# KiCad board OBC Development Board.kicad_pcb (continued)
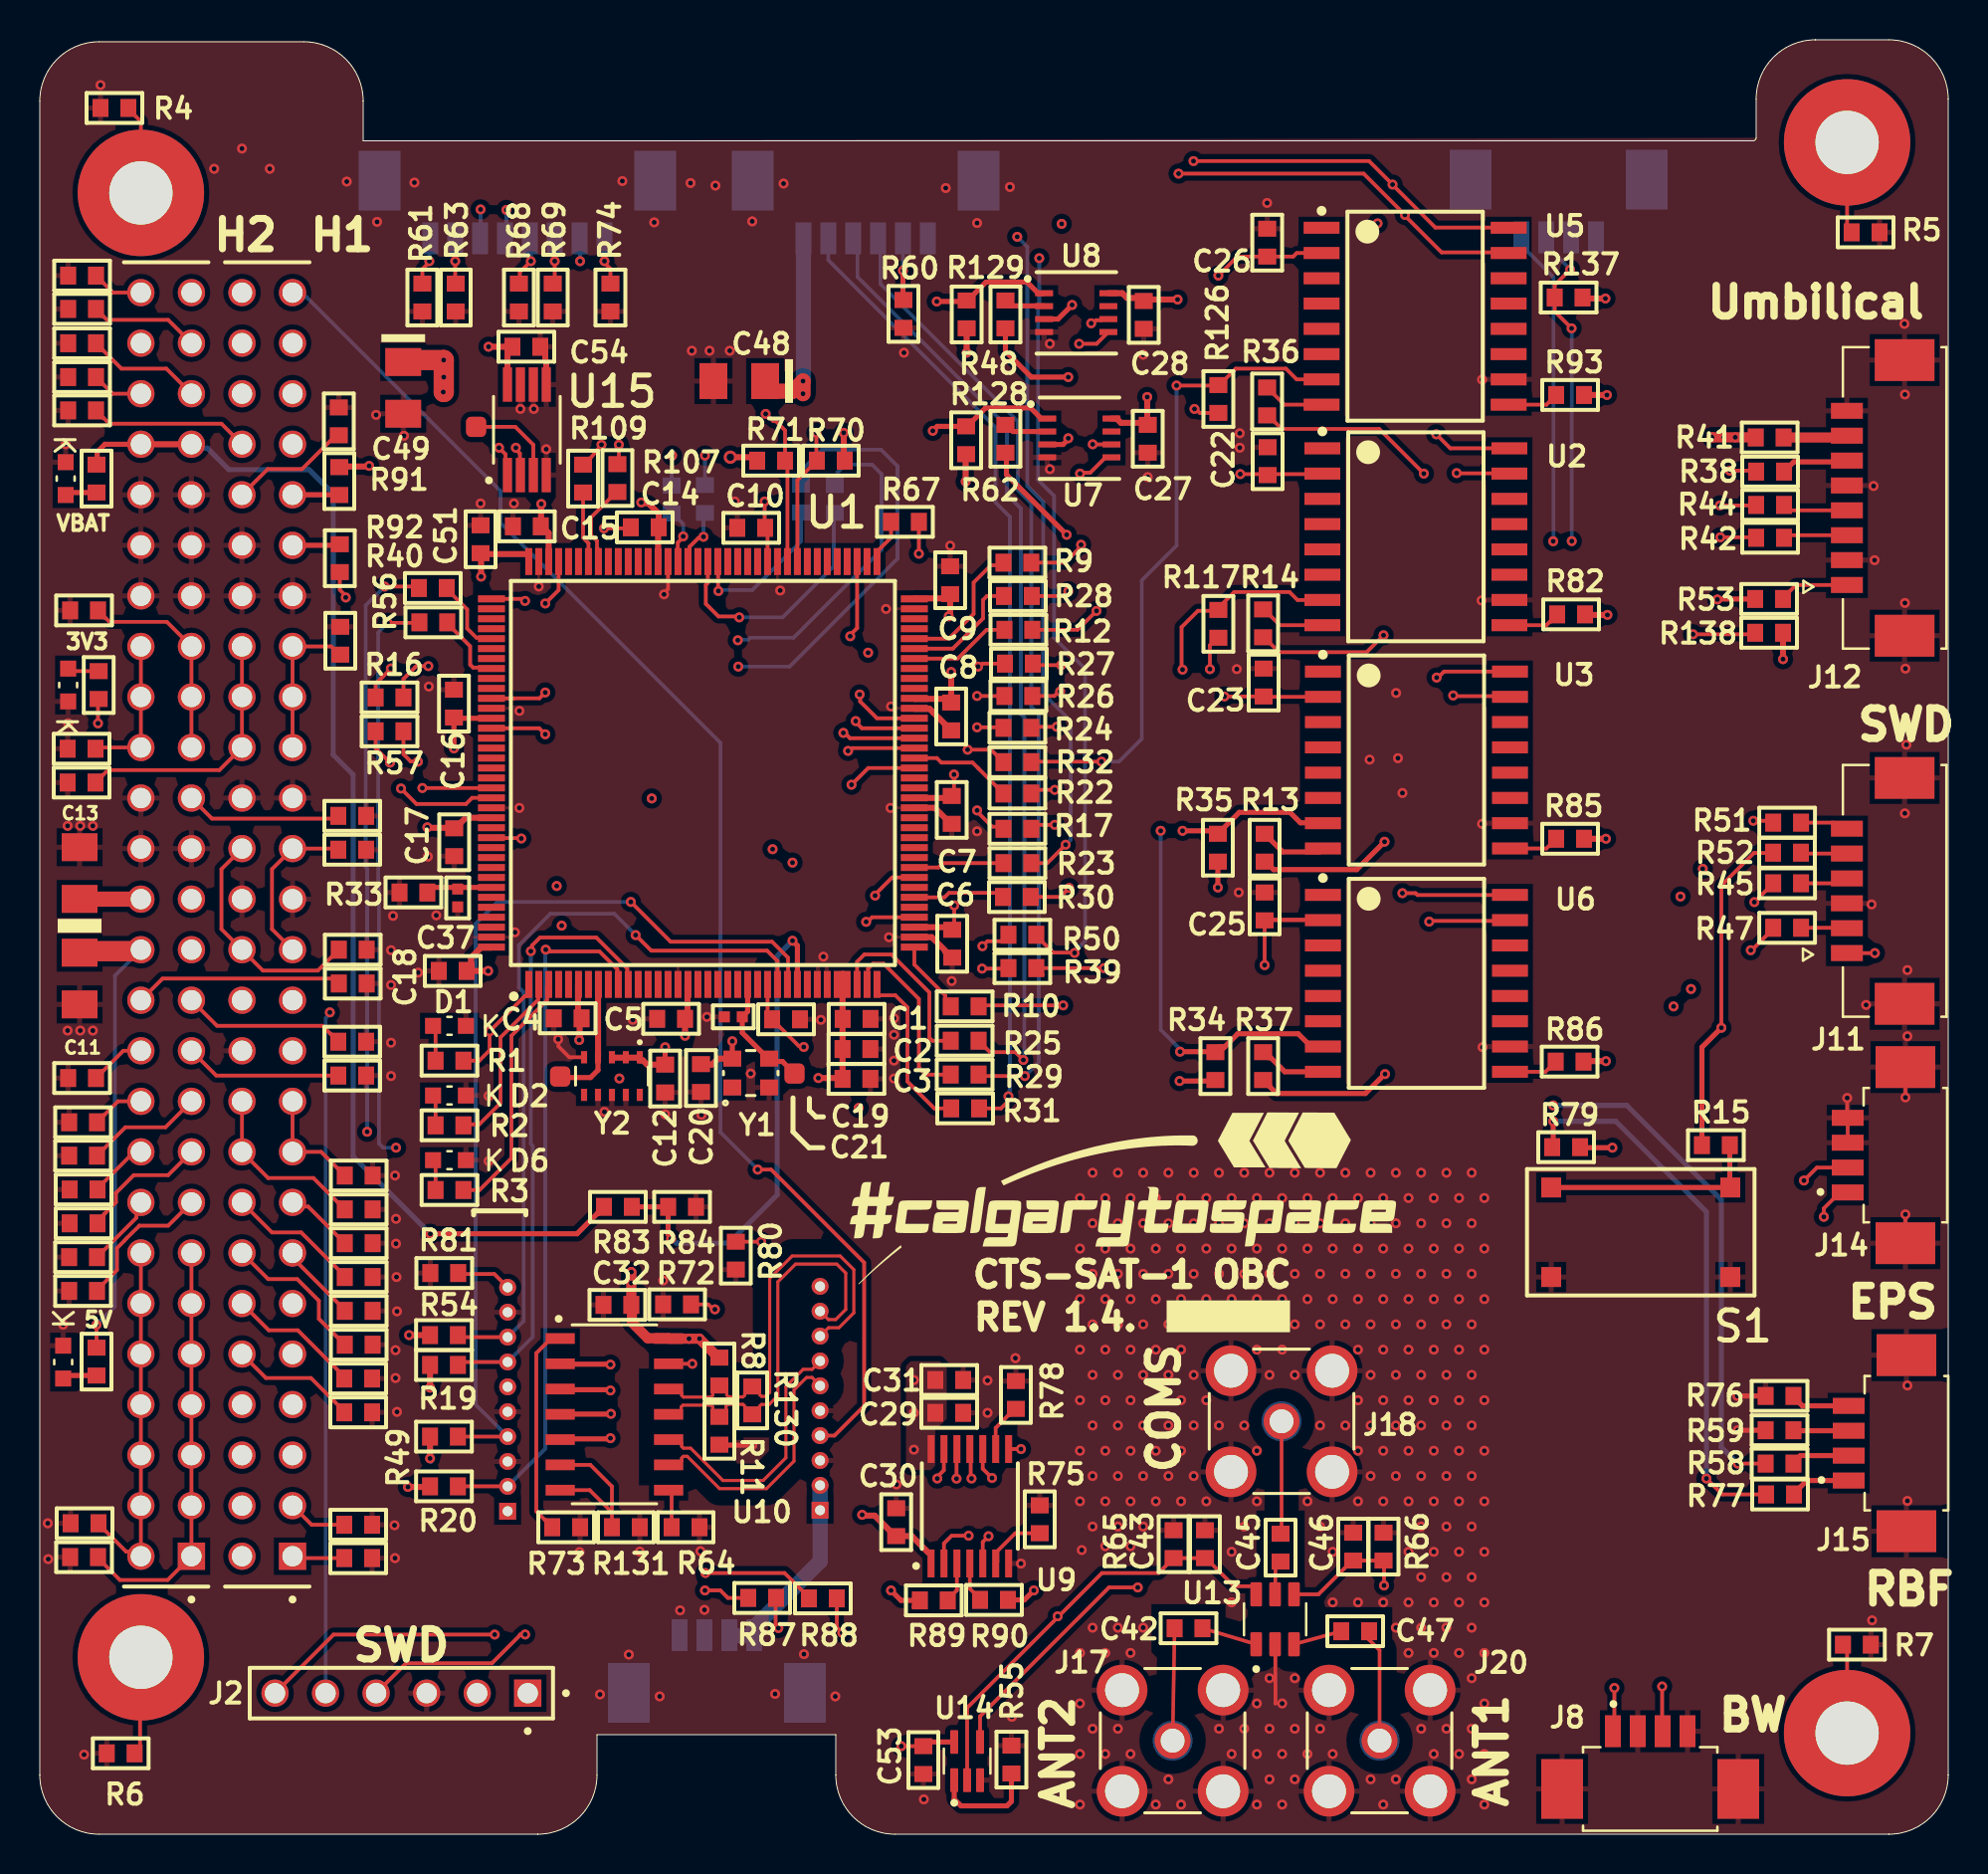
[diagram p0: board, top side]
## Routing (per net, layer and track width the routed paths; a pad name or vN(x,y) marks a point on that pad's centre or on a via; arc(x,y) is an arc through that point) (continued)
NetJ5_48: length 2.6
  L1 Top Layer w0.186: R97.1 2.83,73.18 3.13,72.87 3.18,72.87 3.66,72.39 J5.48
NetJ5_49: length 5.5
  L1 Top Layer w0.186: J5.49 6.45,76.1 3.38,76.1 3.18,76.29 3.13,76.29 2.83,76.6 R95.2
NetJ5_52: length 2.6
  L1 Top Layer w0.186: 5.07,77.48 3.67,77.48 3.18,77.97 3.13,77.97 2.83,78.28 R94.1
NetJ6_1: length 2.6
  L1 Top Layer w0.186: R140.2 12.8,13.88 J6.1
NetJ6_3: length 3
  L1 Top Layer w0.186: J6.3 13.66,15.55 R141.2
NetJ6_10: length 6.4
  L1 Top Layer w0.186: J6.10 11.37,22.93 13.62,22.93 15.3,21.25 R127.1
NetJ6_12: length 6.8
  L1 Top Layer w0.186: R125.1 14.99,23.21 14.99,23.3 12.96,25.33 11.51,25.33 J6.12
NetJ6_13: length 4
  L1 Top Layer w0.186: R123.2 15.33,26.35 12.7,28.97 J6.13
NetJ6_14: length 7.6
  L1 Top Layer w0.186: R124.1 15.33,24.65 15.02,24.96 14.97,24.96 14.02,25.9 14.02,26.81 12.93,27.89 11.48,27.89 J6.14
NetJ6_15: length 3.5
  L1 Top Layer w0.186: J6.15 12.91,31.54 13.48,31.54 14.97,30.06 15.02,30.06 15.33,29.75 R119.2
NetJ6_16: length 6.7
  L1 Top Layer w0.186: R120.1 15.33,28.05 13.13,30.24 11.67,30.24 J6.16
NetJ6_17: length 5.7
  L1 Top Layer w0.186: R112.2 15.33,33.15 15.02,33.46 14.97,33.46 14.13,34.29 J6.17 J6.19
NetJ6_18: length 8.9
  L1 Top Layer w0.186: R113.1 15.33,31.45 15.02,31.76 14.97,31.76 13.75,32.98 11.48,32.98 J6.18 J6.20
NetJ6_25: length 8.3
  L1 Top Layer w0.186: J6.25 11.67,45.48 11.67,48.5 J6.29 14.95,49.53 R104.2
NetJ6_26: length 11.7
  L1 Top Layer w0.186: J6.30 9.13,48.5 9.13,45.48 J6.26 11.21,43.4 13.97,43.4 14.67,44.09 14.72,44.09 15.02,44.4 R105.1
NetJ6_33: length 7.7
  L1 Top Layer w0.186: R100.2 15.05,59.28 14.64,59.69 J6.37 J6.35 J6.33
NetJ6_34: length 13.2
  L1 Top Layer w0.186: R101.1 2.8,52.9 3.11,53.21 3.16,53.21 3.43,53.48 9.03,53.48 J6.34 J6.36 J6.38
NetJ6_44: length 6.1
  L1 Top Layer w0.186: J6.44 11.45,68.6 13.17,68.6 14.93,70.35 ; 15,70.28 R99.1
NetJ6_46: length 8.1
  L1 Top Layer w0.186: J6.46 9.13,70.88 3.49,70.88 3.18,71.19 3.13,71.19 2.83,71.5 R98.1
NetJ7_5: length 3.1
  L1 Top Layer w0.254: v1(43.38,78.58) 43.38,77.13 R60.2
  L6 Bottom Layer w0.186: v1(43.38,78.58) J7.5
NetJ10_10: length 5.8
  L1 Top Layer w0.186: R80.2 v1(36.25,29.78)
  L3 Signal w0.186: v1(36.25,29.78) 38.03,29.78 39.21,28.59 J10.10
NetJ11_2: length 2.3
  L1 Top Layer w0.186: J11.2 90.79,45.55 R47.2
NetJ11_4: length 2.4
  L1 Top Layer w0.186: J11.4 90.56,47.79 R45.2
NetJ11_5: length 2.3
  L1 Top Layer w0.186: 88.45,49.31 88.48,49.28 ; 88.53,49.28 J11.5
NetJ11_6: length 2.4
  L1 Top Layer w0.186: R51.2 90.1,50.83 90.41,50.53 J11.6
NetJ12_1: length 3.5
  L1 Top Layer w0.186: 87.6,62.13 88.25,62.78 J12.1
  L1 Top Layer w0.254: R53.2 87.6,62.13
NetJ12_3: length 3.2
  L1 Top Layer w0.186: J12.3 87.78,65.28 R42.2
NetJ12_4: length 3.3
  L1 Top Layer w0.186: J12.4 87.92,66.53 R44.2
NetJ12_6: length 3.4
  L1 Top Layer w0.254: R38.1 88.14,68.97 90.75,68.97 J12.6
NetJ12_7: length 3.2
  L1 Top Layer w0.508: R41.1 90.72,70.19 J12.7
NetJ13_10: length 2.8
  L1 Top Layer w0.186: J13.10 22.84,28.15 21.08,28.15 R81.2
NetJ15_1: length 3.1
  L1 Top Layer w0.254: J15.1 88.8,17.78 88.15,17.13 R77.2
NetJ15_2: length 3
  L1 Top Layer w0.254: J15.2 88.47,19.03 88.12,18.68 R58.2
NetJ15_3: length 2.8
  L1 Top Layer w0.254: R59.2 88.15,20.28 J15.3
NetJ15_4: length 3
  L1 Top Layer w0.254: J15.4 88.57,21.53 88.12,21.98 R76.2
NetR2_2: length 9.1
  L1 Top Layer w0.186: 21.29,35.67 22.08,35.67 23.15,36.74 23.15,40.04 25.05,41.94 25.05,42.68
  L1 Top Layer w0.3: 25.05,42.68 U1.2
NetR3_1: length 12.6
  L1 Top Layer w0.186: U1.3 25.49,42.62 25.49,41.91 23.7,40.13 23.7,33.98 22.1,32.37 R3.1
NetR9_2: length 7
  L1 Top Layer w0.186: U1.68 45.68,60.08 46.92,61.33 46.92,62.9 47.79,63.77 48.29,63.77 R9.2
NetR10_1: length 3.7
  L1 Top Layer w0.186: U1.37 43.95,43.7 45.5,42.15 45.5,41.87 R10.1
NetR12_2: length 5.1
  L1 Top Layer w0.186: R12.2 47.57,60.53 46.13,59.08 U1.66
NetR13_2: length 3.4
  L1 Top Layer w0.254: R13.2 61.6,50.28 61.87,50 61.87,49.95 62.46,49.36 64.31,49.36 U3.8
NetR14_2: length 3.5
  L1 Top Layer w0.186: R14.2 61.53,61.55 62.32,60.76 64.65,60.76
NetR15_1: length 11.4
  L1 Top Layer w0.254: 85.11,34.44 R15.1 84.93,32.53 S1.2 S1.1
NetR16_1: length 11.7
  L1 Top Layer w0.186: U1.119 23.84,57.08 23.84,57.08 25.11,57.08 v1(25.4,57.38) ; R16.1 18.27,58.06 18.92,58.7 v1(19.52,58.7)
  L3 Signal w0.179: v1(19.52,58.7) 24.08,58.7 v1(25.4,57.38)
NetR17_1: length 12.1
  L1 Top Layer w0.186: v1(40.79,52.74) 41.63,53.58 U1.55 ; R17.1 48.32,50.63 47.85,50.63 47.1,51.39 v1(47.1,51.45)
  L3 Signal w0.179: v1(40.79,52.74) 40.85,52.68 45.78,52.68 47.01,51.45 v1(47.1,51.45)
NetR18_2: length 2.8
  L1 Top Layer w0.186: U1.93 32.06,63.97 32.06,64.91 32.33,65.18 v1(32.33,65.22)
  L6 Bottom Layer w0.186: R18.2 31.8,66.38 32.33,65.84 v1(32.33,65.22)
NetR21_2: length 2.9
  L1 Top Layer w0.186: U1.92 32.65,64.04 32.65,64.7 33.1,65.14 33.29,65.14 v1(33.35,65.2)
  L6 Bottom Layer w0.186: v1(33.35,65.2) 33.35,66.33 R21.2
NetR22_1: length 5.2
  L1 Top Layer w0.186: U1.56 45.08,54.08 45.31,53.85 46.87,53.85 48.1,52.62 48.15,52.62 48.42,52.35 R22.1
NetR23_1: length 4.6
  L1 Top Layer w0.186: R23.1 45.38,48.8 45.16,48.58 U1.45
NetR24_1: length 11.8
  L1 Top Layer w0.186: v1(47.1,55.63) 48.32,55.63 48.35,55.6 ; v1(40.38,55.34) 40.45,55.34 40.71,55.08 U1.58
  L3 Signal w0.179: v1(40.38,55.34) 44.04,55.34 44.32,55.63 v1(47.1,55.63)
NetR25_2: length 9.1
  L1 Top Layer w0.186: U1.34 41.07,43.85 41.43,44.21 42.79,44.21 44.7,42.3 44.7,40.02 44.85,39.88 R25.2
NetR26_1: length 11.1
  L1 Top Layer w0.186: v1(41,55.94) 41,55.89 41.31,55.58 U1.59 ; v1(47.1,57.2) R26.1
  L3 Signal w0.179: v1(47.1,57.2) 46.2,56.3 44.03,56.3 43.66,55.94 v1(41,55.94)
NetR27_1: length 11.6
  L1 Top Layer w0.186: v1(41.2,57.28) 41.22,57.25 41.22,56.92 42.07,56.08 U1.60 ; R27.1 47.37,58.83 47.22,58.68 v1(47.15,58.68)
  L3 Signal w0.179: v1(41.2,57.28) 41.45,57.53
  L3 Signal w0.186: v1(47.15,58.68) 46.82,59 42.93,59 41.45,57.53
NetR28_1: length 6.1
  L1 Top Layer w0.186: R28.1 47.6,62.23 47.4,62.03 47.4,61.1 45.88,59.58 U1.67
NetR29_2: length 9.4
  L1 Top Layer w0.186: R29.2 44.53,38.18 44.17,38.53 44.17,41.98 42.4,43.75 41.88,43.75 41.62,43.49 41.62,42.75 U1.35
NetR30_1: length 4.6
  L1 Top Layer w0.186: 48.19,47.31 45.69,47.31 45.46,47.08 U1.42
  L1 Top Layer w0.254: 48.19,47.31 R30.1
NetR31_2: length 8.8
  L1 Top Layer w0.186: U1.36 42.07,42.2 42.12,42.16 42.99,42.16 43.6,41.55 43.6,37.83 44.95,36.48 R31.2
NetR32_1: length 12
  L1 Top Layer w0.186: v1(46.62,54.5) 47.8,54.5 48.1,54.2 48.15,54.2 48.42,53.93 R32.1 ; U1.57 40.82,54.58 40.68,54.44 v1(40.62,54.44)
  L3 Signal w0.186: v1(46.62,54.5) 46.03,55.1 44.61,55.1 44.41,54.9 41.07,54.9 v1(40.62,54.44)
NetR36_2: length 3.3
  L1 Top Layer w0.186: R36.2 61.72,72.7 62,72.43 62,72.38 62.54,71.84 64.61,71.84
NetR37_2: length 3.4
  L1 Top Layer w0.254: R37.2 61.75,39.03 61.85,39.03 62.57,38.31 U6.8
NetR39_2: length 10.7
  L1 Top Layer w0.186: v1(47.35,43.5) 48.65,43.5 R39.2 ; v1(41.53,45.85) 41.59,45.85 41.82,46.08 U1.40
  L3 Signal w0.179: v1(47.35,43.5) 47.29,43.56 47.11,43.56 44.82,45.85 v1(41.53,45.85)
NetR40_1: length 3.9
  L1 Top Layer w0.186: U1.113 22.65,60.13 21.94,60.13 21.47,60.59 21.47,61.55 20.45,62.58 R40.1
NetR43_1: length 12.6
  L1 Top Layer w0.186: U1.90 33.57,62.89 33.47,62.78 33.47,61.83 34.1,61.2 35.1,61.2 v1(35.15,61.15)
  L6 Bottom Layer w0.186: v1(35.15,61.15) 37.32,61.15 39.9,63.73 39.9,66.35 R43.1
NetR46_1: length 8.1
  L1 Top Layer w0.186: v1(34.1,62.48) 34.09,62.49 34.09,63.94 U1.89
  L6 Bottom Layer w0.186: R46.1 38.25,64.98 35.8,62.52 34.15,62.52 v1(34.1,62.48)
NetR48_2: length 2.1
  L1 Top Layer w0.254: R48.2 48.8,76.8 50.45,76.8 U8.2
NetR50_2: length 10.4
  L1 Top Layer w0.186: v1(47.37,44.63) 47.62,44.88 48.4,44.88 48.67,45.15 R50.2 ; v1(41.97,47.17) 41.97,47.23 42.83,48.08 U1.44
  L3 Signal w0.179: v1(41.97,47.17) 44.51,47.17 47.02,44.65 47.34,44.65 v1(47.37,44.63)
NetR55_2: length 5.5
  L1 Top Layer w0.254: R55.2 48.82,1.65 48.6,1.43 46.29,1.43 45.95,1.76 U14.1
NetR56_1: length 3.8
  L1 Top Layer w0.186: R56.1 20.47,60.85 21.62,59.7 21.62,58.78 21.77,58.63 22.65,58.63 U1.116
NetR57_1: length 11.8
  L1 Top Layer w0.186: R57.1 18.27,54.28 18.64,53.91 18.99,53.91 v1(19,53.9) ; v1(25.4,55.28) 25.1,55.58 U1.122
  L3 Signal w0.179: v1(25.4,55.28) 24.02,53.9 v1(19,53.9)
NetR62_2: length 2.2
  L1 Top Layer w0.254: R62.2 48.57,70.83 48.91,70.49 U7.2
NetR64_2: length 1.9
  L1 Top Layer w0.186: U10.8 31.75,17.14 R64.2
NetR67_2: length 2.3
  L1 Top Layer w0.186: R67.2 42.78,65.16 42.07,64.45 U1.73
NetR72_2: length 5.7
  L1 Top Layer w0.186: v1(33.92,26.38) 33.84,26.38 33.59,26.63 R72.2 ; U10.13 v1(32.79,23.64) 32.8,23.65
  L4 Signal w0.186: v1(33.92,26.38) 33.92,24.78 v1(32.79,23.64)
NetR73_2: length 10.6
  L1 Top Layer w0.186: R73.2 25.75,15.48 25.44,15.78 25.39,15.78 24.95,16.23 24.95,24.17 25.69,24.91 U10.1
NetR75_2: length 3.2
  L1 Top Layer w0.186: U9.6 48.12,13.69 48.12,14.22 49.02,15.13 R75.2
NetR78_2: length 2.5
  L1 Top Layer w0.186: R78.2 48.74,21.07 48.68,21.07 48.04,20.42 U9.9
NetR82_2: length 2.7
  L1 Top Layer w0.186: R82.2 76.25,61.25 75.94,60.94 75.89,60.94 75.7,60.76 U2.9
NetR85_2: length 2.6
  L1 Top Layer w0.186: U3.9 75.71,49.54 75.84,49.67 75.89,49.67 76.2,49.98 R85.2
NetR86_2: length 2.5
  L1 Top Layer w0.186: R86.2 76.17,38.78 75.87,38.47 75.82,38.47 75.66,38.31 U6.9
NetR87_2: length 15.6
  L1 Top Layer w0.186: 37.11,10.43 36.97,10.57 36.97,12.06 ; v1(46.67,15) 45.82,15 45.44,14.61 U9.2
  L1 Top Layer w0.254: v1(37.11,10.36) 37.11,10.43
  L3 Signal w0.254: v1(37.11,10.36) 39.41,10.36 40.22,11.18 42.85,11.18 v1(46.67,15)
NetR88_1: length 12.7
  L1 Top Layer w0.186: U9.5 47.39,14.69 47.67,14.98 v1(47.67,14.98) ; R88.1 40.05,10.4 v1(40.32,10.13)
  L3 Signal w0.254: v1(40.32,10.13) 42.82,10.13 v1(47.67,14.98)
NetR89_2: length 2
  L1 Top Layer w0.186: R89.2 45.62,11.8 46.09,12.26 U9.3
NetR90_2: length 2
  L1 Top Layer w0.186: U9.4 46.74,12.34 47.25,11.83 R90.2
NetR93_2: length 2.6
  L1 Top Layer w0.186: U5.9 75.71,71.84 75.84,71.97 75.89,71.97 76.2,72.28 R93.2
NetR107_2: length 4.2
  L1 Top Layer w0.186: R107.2 28.97,67.45 27.7,66.18 27.7,65.29 28,64.99 28,64.65 28.02,64.63 28.02,64 U1.101
NetR109_2: length 3.6
  L1 Top Layer w0.186: U1.102 27.57,64.88 27.3,65.15 R109.2
NetR131_2: length 8.2
  L1 Top Layer w0.186: 28.75,16.18 28.75,17.48 27.66,18.56 U10.6 ; 28.75,16.18 27.63,17.29 U10.7 ; 28.75,16.18 R131.2
NetU1_8: length 6.3
  L1 Top Layer w0.254: NOREF#3.3 26.2,38.03 27.67,38.03 28.05,38.4 Y2.4
  L1 Top Layer w0.3: 28.05,39.07 28.05,42.69
NetU9_10: length 27.8
  L1 Top Layer w0.186: v1(47.85,17.9) 47.39,18.36 U9.10
  L1 Top Layer w0.254: v1(28.67,19.9) 28.64,19.87 26.19,19.87 U10.5
  L3 Signal w0.254: v1(28.67,19.9) 35.05,13.53 43.47,13.53 v1(47.85,17.9)
NetU9_11: length 26.7
  L1 Top Layer w0.186: U9.11 46.78,19.31 46.78,17.92 v1(46.82,17.88)
  L1 Top Layer w0.254: v1(28.7,21.13) 28.69,21.11 26.16,21.11 U10.4
  L3 Signal w0.254: v1(28.7,21.13) 35.65,14.18 43.27,14.18 46.7,17.61 46.7,17.69 46.82,17.81 v1(46.82,17.88)
NetU9_12: length 25.8
  L1 Top Layer w0.186: U9.12 46.07,19.34 v1(46.07,17.87)
  L1 Top Layer w0.254: U10.3 26.19,22.34 28.64,22.34 v1(28.67,22.3)
  L3 Signal w0.254: v1(28.67,22.3) 36.15,14.83 43.02,14.83 v1(46.07,17.87)
NetU9_13: length 25
  L1 Top Layer w0.186: v1(45.1,17.88) 45.1,17.96 45.43,18.29 45.43,19.35 U9.13
  L1 Top Layer w0.254: U10.2 26.17,23.62 28.66,23.62 v1(28.67,23.6)
  L3 Signal w0.254: v1(45.1,17.88) 42.62,15.4 36.88,15.4 v1(28.67,23.6)
NRST: length 126.6
  L1 Top Layer w0.186: U1.25 36.57,41.31 36.83,41.05 ; C19.2 36.8,40.9 37.11,40.59 37.16,40.59 38.13,39.62 38.33,39.62 v1(38.39,39.56) ; v1(84.5,40.53) 84.5,47.68 86.13,49.31 87.1,49.31
  L1 Top Layer w0.254: v1(84.5,40.53) 83.53,39.55 R15.2
  L3 Signal w0.179: 38.45,39.5 36.17,41.78 14.96,41.78 14.83,41.65 14.83,41.64 14.58,41.39 v1(14.58,41.3) ; v1(84.5,40.53) 54.72,40.53 53.76,39.56 v1(38.39,39.56)
  L6 Bottom Layer w0.186: J2.05 14.37,7.1 14.37,41.01 14.58,41.22 v1(14.58,41.3)
OS/INT: length 4.8
  L1 Top Layer w0.186: U15.3 24.8,69.82 23.89,70.73 NOREF.3
RBF_1: length 91.6
  L1 Top Layer w0.186: U1.75 41.07,60.61 40.72,60.27 v1(40.72,60.2) ; v1(83.75,17.88) 84.55,17.08 R77.1
  L1 Top Layer w0.254: v1(76.05,35.83) 76.05,34.58 R79.1
  L3 Signal w0.179: v1(76.05,35.83) 76.01,35.79 41.86,35.79 v1(41.15,36.5)
  L4 Signal w0.179: v1(41.15,36.5) 41.15,44.98 39.57,46.56 39.57,59.04 v1(40.72,60.2)
  L6 Bottom Layer w0.254: v1(83.75,17.88) 83.75,31.28 79.2,35.83 v1(76.05,35.83)
SPI1_MISO: length 122.5
  L1 Top Layer w0.186: v1(69.55,68.38) 67.3,70.62 62.4,70.62 61.72,71.3 R36.1 ; R14.1 61.53,60.15 62.28,59.4 66.68,59.4 v1(67.53,60.25) ; R28.2 51.42,62.23 51.66,62.46 v1(51.69,62.46)
  L1 Top Layer w0.254: R62.1 48.57,69.38 48.57,68.33 v1(51.6,65.3) ; v1(51.68,73.23) 49.82,73.23 48.53,74.53 R48.1 ; R37.1 61.53,37.9 61.8,37.63 61.8,37.58 62.15,37.23 66.61,37.23 67.59,38.2 v1(67.6,38.2) ; v1(67.57,49.88) 66.17,48.48 62,48.48 61.6,48.88 R13.1
  L3 Signal w0.186: v1(51.35,80.93) 53.05,82.63 65.55,82.63 v1(67.22,80.95)
  L4 Signal w0.179: v1(51.35,80.93) 51.29,80.86 51.29,80.67 51.28,80.66 51.28,76.2 51.64,75.85 51.64,73.31 51.64,73.31 ; v1(51.69,62.46) 51.62,62.52 51.62,62.7 51.6,62.73 51.6,68.71 51.09,69.22 51.09,72.63 v1(51.68,73.23) ; v1(67.22,80.95) 69.55,78.63 v1(69.55,68.38) 69.57,68.35 69.57,63.88 67.53,61.83 v1(67.53,60.25) 67.55,60.23 67.55,49.9 67.59,49.86 67.59,38.21 v1(67.6,38.2)
SPI1_MOSI: length 92.1
  L1 Top Layer w0.186: v1(69.82,45.86) 69.86,45.9 73.64,45.9 73.68,45.93 ; 73.61,79.46 73.58,79.49 70.44,79.49 68.6,81.34 v1(68.6,81.38) 66.53,83.45 v1(57.22,83.45) ; U8.5 53.11,74.9 v1(52.23,74.9) ; 73.56,68.39 71.21,68.39 v1(71.2,68.4) ; R9.1 51.51,63.9 52.2,64.59 52.2,64.61 52.32,64.73 v1(52.32,64.8) ; 73.68,57.16 73.64,57.19 71.06,57.19 v1(71.03,57.23) ; U7.5 53.55,69.19 52.79,68.42 52.32,68.42 v1(52.28,68.38)
  L4 Signal w0.179: v1(71.2,68.4) 71.2,78.78 v1(68.6,81.38) ; 71.2,68.33 70.82,67.96 70.82,57.49 71.03,57.29 v1(71.03,57.23) 71.6,56.65 71.6,47.64 v1(69.82,45.86) ; v1(57.22,83.45) 57.22,81.25 52.24,76.27 52.24,74.91 v1(52.23,74.9) ; v1(52.32,64.8) 52.3,64.83 52.3,68.35 v1(52.28,68.38) 52.28,74.89 ; 52.24,74.94 52.29,74.9
SPI1_SCLK: length 97.3
  L1 Top Layer w0.186: 73.61,80.73 73.44,80.9 73.28,80.74 70.13,80.74 67.97,82.9 ; v1(52.83,75.93) 52.92,75.93 53.07,76.08 53.34,76.08 53.4,76.14 U8.6 ; v1(57.97,84.08) 66.8,84.08 v1(67.98,82.9) ; v1(70.19,58.13) 70.26,58.13 70.56,58.43 73.68,58.43 ; 73.42,69.65 70.88,69.65 v1(70.17,70.35) ; v1(68.47,47.29) 69.14,47.29 69.23,47.2 73.67,47.2 73.68,47.2 ; U7.6 53.85,69.84 52.92,69.84 v1(52.91,69.85) ; R12.1 52.15,60.53 v1(53.1,61.48)
  L4 Signal w0.179: v1(52.83,75.93) 52.82,75.92 52.82,70.11 52.85,70.08 52.85,69.91 v1(52.91,69.85) ; 52.86,75.9 57.97,81.02 v1(57.97,84.08) ; v1(67.98,82.9) 67.95,82.87 67.95,81.08 70.17,78.85 v1(70.17,70.35) 70.18,70.34 70.18,58.14 70.2,58.13 ; v1(53.1,61.48) 53.1,69.32 52.93,69.5 52.93,69.74 52.85,69.81 ; v1(68.47,47.29) 68.5,47.29 68.93,47.72 69.11,47.72 70.2,48.81 70.2,58.12 v1(70.19,58.13)
SPI_NCS_FLASH_0: length 19.2
  L1 Top Layer w0.186: v1(57.42,58.53) 57.38,58.58 57.38,60.66 58.2,61.48 59.23,61.48 ; 49.75,55.6 49.8,55.65 v1(51.1,55.65) ; 59.21,61.61 60.03,62.43 62.8,62.43 63.2,62.03 64.65,62.03
  L3 Signal w0.179: v1(57.42,58.53) 54.55,55.65 v1(51.1,55.65)
SPI_NCS_FLASH_1: length 32.6
  L1 Top Layer w0.186: R32.2 49.85,53.9 v1(53.35,53.9) ; v1(57.12,72.8) 59.25,72.8 60.1,73.65 62.62,73.65 63.16,73.11 64.61,73.11
  L6 Bottom Layer w0.186: v1(53.35,53.9) 54.22,53.9 55.38,55.05 55.38,63.01 57.12,64.76 v1(57.12,72.8)
SPI_NCS_FLASH_2: length 16.6
  L1 Top Layer w0.186: v1(51,52.48) 50.01,52.48 R22.2
  L1 Top Layer w0.254: U3.7 64.46,50.83 63.35,50.83 62.83,51.35 60.28,51.35 R35.2 59.05,50.43 v1(57.42,50.43)
  L3 Signal w0.179: v1(51,52.48) 51.98,51.5 56.78,51.5 57.42,50.85 v1(57.42,50.43)
SPI_NCS_FLASH_3: length 26.6
  L1 Top Layer w0.186: R17.2 50.03,50.73 v1(51,50.73)
  L1 Top Layer w0.254: U6.7 63.88,39.58 63.24,40.23 60.2,40.23 59.55,39.57 ; 59.55,39.57 59.3,39.57 59.05,39.33 v1(57.3,39.33) ; 59.55,39.57 59.3,39.33
  L3 Signal w0.179: v1(56.32,50.43) 56.24,50.43 55.94,50.73 v1(51,50.73) 50.95,50.73
  L6 Bottom Layer w0.186: 57.53,39.35 57.44,39.35 57.31,39.48 57.27,39.48 56.32,40.43 v1(56.32,50.43)
SPI_NCS_FRAM_0: length 37.5
  L1 Top Layer w0.186: R27.2 49.97,58.75 v1(51.32,58.75)
  L1 Top Layer w0.254: v1(45.07,77.03) 46.53,77.03 R129.2 ; 46.62,77.08 47.55,78 49.61,78 50.19,77.42 50.44,77.42
  L3 Signal w0.179: v1(41.62,59.38) 50.82,59.38 51,59.2 51,59.14 51.32,58.82 v1(51.32,58.75)
  L4 Signal w0.179: v1(41.62,59.38) 41.62,59.44 41.46,59.61 41.46,74.83 43.67,77.05 45.05,77.05 v1(45.07,77.03)
SPI_NCS_FRAM_1: length 23.7
  L1 Top Layer w0.186: v1(51.28,57.43) 51.21,57.43 50.98,57.2 R26.2
  L1 Top Layer w0.254: U7.1 50.32,71.14 49.79,71.68 47.53,71.68 46.6,70.75 R128.2 45.1,70.75 v1(44.88,70.53)
  L4 Signal w0.179: v1(51.28,57.43) 44.88,63.83 v1(44.88,70.53)
SWCLK: length 124
  L1 Top Layer w0.186: U1.109 24.28,62.08 v1(24.38,61.98) ; R47.1 87.1,45.5 86.03,44.42 v1(85.98,44.42)
  L3 Signal w0.179: v1(26.22,45.66) 26.22,45.63 26.58,45.28 26.58,45.15 29.53,42.2 50.9,42.2 53.12,44.42 v1(85.98,44.42)
  L4 Signal w0.179: 26.15,45.58 v1(26.22,45.66) ; 26.15,45.58 24.79,46.94 24.79,61.57 24.38,61.97 v1(24.38,61.98) ; 26.15,45.58 26.22,45.58 26.54,45.25 26.54,42.87 23.97,40.3 23.97,29.08 24.7,28.35 24.7,14.44 23.76,13.5 23.76,8.87 J2.02
SWDIO: length 128.8
  L1 Top Layer w0.186: J2.04 18.4,8.59 22.72,8.59 24.13,10 24.13,10.03 24.38,10.03 v1(24.39,10.04) ; v1(86.16,46.84) R45.1 ; v1(25.4,61.85) 26.07,62.52 U1.105
  L3 Signal w0.179: v1(25.97,47.65) 26.06,47.65 26.17,47.76 48.86,47.76 51.71,44.92 67.74,44.92 69.31,46.49 85.81,46.49 v1(86.16,46.84)
  L4 Signal w0.179: v1(24.39,10.04) 24.38,10.04 24.38,13.36 25.2,14.17 25.2,28.4 24.47,29.13 24.47,40.1 26.97,42.6 26.97,46.65 v1(25.97,47.65) 25.97,51.65 25.99,51.67 25.99,61.26 v1(25.4,61.85)
SWO: length 123.9
  L1 Top Layer w0.186: R51.1 87.01,50.93 v1(86.11,50.93) ; v1(22.86,10.03) 14.77,10.03 J2.06 ; U1.133 22.72,50.06 24.17,50.06 v1(24.19,50.04)
  L3 Signal w0.179: v1(24.19,50.04) 24.28,50.04 24.5,50.26 38.76,50.26 39.88,49.15 49.2,49.15 52.03,46.33 65.55,46.33 70.68,51.46 85.58,51.46 v1(86.11,50.93)
  L4 Signal w0.179: J2.06 11.82,7.38 ; v1(22.86,10.03) 22.86,13.37 24.27,14.78 24.27,15.66 24.28,15.66 24.28,28.15 23.5,28.93 23.5,40.55 26.11,43.16 26.11,44.63 24.19,46.55 v1(24.19,50.04)
UHF_CTL: length 80.1
  L1 Top Layer w0.186: U14.2 46.6,6.35 53.38,13.13 56.23,13.13 R65.1 C43.1 58.6,13.88 60.01,12.46 60.96,12.46 61.12,12.3 U13.6 ; v1(44.17,64.35) R67.1
  L4 Signal w0.179: v1(44.17,64.35) 44.17,36.67 51.15,29.7 v1(51.15,10.95)
V_BAT: length 144.9
  L1 Top Layer w0.254: J5.46 3.27,69.85 2.88,69.46 2.88,68.86 R136.2 ; R83.2 28.35,31.48 28.08,31.2 28.03,31.2 27,30.18 v1(19.62,30.18) ; v1(84.3,62.05) 84.32,62.08 R53.1
  L1 Top Layer w0.3: J5.46 J5.45
  L3 Signal w0.254: J5.45 9.09,68.38 14,68.38 15.02,69.39 19,69.39 20.26,68.13 41.07,68.13 42.75,66.45 79.9,66.45 v1(84.3,62.05)
  L6 Bottom Layer w0.254: v1(19.62,30.18) 15.74,34.06 15.74,53.25 14.74,54.25 14.74,67.36 13.53,68.58 9.5,68.58 8.42,69.65 7.82,69.65 J5.45

## Copper pours and planes (outline as drawn; the poured copper is in the pictures)
3V3 on L3 Signal: 2.98,0 0.87,0.87 0,2.98 0,87.1 0.88,89.22 3,90.1 13.25,90.1 15.37,89.22 16.25,87.1 16.25,85.1 86.25,85.25 86.25,87.2 87.12,89.3 89.22,90.17 92.93,90.17 95.03,89.3 95.9,87.2 95.9,15 95.9,2.98 95.03,0.87 92.92,0 42.98,0 40.87,0.87 40,2.98 40,5 28,5 28,2.98 27.13,0.87 25.02,0
3V3_ANT_DEPLOY on L3 Signal: 8.89,73.66 8.89,76.2 20.95,76.2 20.95,73.66
3V3_CAM on L3 Signal: 8.89,71.12 8.89,73.66 39.37,73.66 39.37,71.12
5V on L1 Top Layer: 43.72,18.3 44.78,18.3 45,18.53 45,20.3 45.57,20.88 45.57,23.43 45.22,23.78 43.78,23.78 43.53,23.53 43.53,18.5
5V on L4 Signal: 2.98,0 0.87,0.87 0,2.98 0,87.1 0.88,89.22 3,90.1 13.25,90.1 15.37,89.22 16.25,87.1 16.25,85.1 86.25,85.25 86.25,87.2 87.12,89.3 89.22,90.17 92.93,90.17 95.03,89.3 95.9,87.2 95.9,15 95.9,2.97 95.03,0.87 92.93,0 42.98,0 40.87,0.87 40,2.98 40,5 28,5 28,2.98 27.13,0.87 25.02,0
GND on L1 Top Layer: 2.98,0 0.87,0.87 0,2.98 0,87.1 0.88,89.22 3,90.1 13.25,90.1 15.37,89.22 16.25,87.1 16.25,85.1 86.25,85.25 86.25,87.2 87.12,89.3 89.22,90.17 92.93,90.17 95.03,89.3 95.9,87.2 95.9,15 95.9,2.98 95.03,0.87 92.92,0 42.98,0 40.87,0.87 40,2.98 40,5 28,5 28,2.98 27.13,0.87 25.02,0
GND on L6 Bottom Layer: 2.98,0 0.87,0.87 0,2.98 0,87.1 0.88,89.22 3,90.1 13.25,90.1 15.37,89.22 16.25,87.1 16.25,85.1 86.25,85.25 86.25,87.2 87.12,89.3 89.22,90.17 92.93,90.17 95.03,89.3 95.9,87.2 95.9,15 95.9,2.98 95.03,0.87 92.92,0 42.98,0 40.87,0.87 40,2.98 40,5 28,5 28,2.98 27.13,0.87 25.02,0
GND on L2 GND: 93.14,89.66 93.35,89.63 93.56,89.58 93.77,89.52 93.97,89.44 94.16,89.34 94.34,89.22 94.51,89.09 94.67,88.94 94.81,88.79 94.95,88.61 95.06,88.43 95.16,88.24 95.24,88.04 95.31,87.84 95.35,87.63 95.38,87.42 95.39,87.22 95.39,87.2 95.39,2.96 95.38,2.76 95.35,2.55 95.31,2.34 95.24,2.13 95.16,1.93 95.06,1.74 94.95,1.56 94.81,1.39 94.67,1.23 94.51,1.09 94.34,0.95 94.16,0.84 93.97,0.74 93.77,0.66 93.56,0.59 93.35,0.55 93.14,0.52 92.94,0.51 92.93,0.51 42.98,0.51 42.96,0.51 42.76,0.52 42.55,0.55 42.34,0.59 42.13,0.66 41.93,0.74 41.74,0.84 41.56,0.95 41.39,1.09 41.23,1.23 41.09,1.39 40.95,1.56 40.84,1.74 40.74,1.93 40.66,2.13 40.59,2.34 40.55,2.55 40.52,2.76 40.51,2.96 40.51,2.98 40.51,5 40.5,5.1 40.47,5.2 40.42,5.28 40.36,5.36 40.28,5.42 40.2,5.47 40.1,5.5 40,5.51 28,5.51 27.9,5.5 27.8,5.47 27.72,5.42 27.64,5.36 27.58,5.28 27.53,5.2 27.5,5.1 27.49,5 27.49,2.98 27.49,2.96 27.48,2.76 27.45,2.55 27.41,2.34 27.34,2.13 27.26,1.93 27.16,1.74 27.05,1.56 26.91,1.39 26.77,1.23 26.61,1.09 26.44,0.95 26.26,0.84 26.07,0.74 25.87,0.66 25.66,0.59 25.45,0.55 25.24,0.52 25.04,0.51 25.03,0.51 2.98,0.51 2.96,0.51 2.76,0.52 2.55,0.55 2.34,0.59 2.13,0.66 1.93,0.74 1.74,0.84 1.56,0.95 1.39,1.09 1.23,1.23 1.09,1.39 0.95,1.56 0.84,1.74 0.74,1.93 0.66,2.13 0.59,2.34 0.55,2.55 0.52,2.76 0.51,2.96 0.51,2.98 0.51,87.1 0.51,87.12 0.52,87.31 0.55,87.53 0.59,87.74 0.66,87.94 0.74,88.14 0.84,88.33 0.95,88.51 1.09,88.69 1.23,88.84 1.39,88.99 1.56,89.12 1.74,89.24 1.93,89.34 2.13,89.42 2.34,89.48 2.55,89.53 2.76,89.56 2.96,89.57 2.98,89.56 13.28,89.56 13.29,89.57 13.49,89.56 13.7,89.53 13.91,89.48 14.12,89.42 14.32,89.34 14.51,89.24 14.69,89.12 14.86,88.99 15.02,88.84 15.16,88.69 15.3,88.51 15.41,88.33 15.51,88.14 15.59,87.94 15.66,87.74 15.7,87.53 15.73,87.32 15.74,87.12 15.74,87.1 15.74,85.1 15.75,85 15.78,84.9 15.83,84.82 15.97,84.68 16.05,84.63 16.15,84.6 16.25,84.59 86.1,84.59 86.2,84.6 86.3,84.62 86.4,84.66 86.49,84.72 86.57,84.78 86.63,84.86 86.69,84.95 86.73,85.05 86.75,85.15 86.76,85.25 86.76,87.2 86.76,87.22 86.77,87.41 86.8,87.63 86.84,87.84 86.91,88.04 86.99,88.24 87.09,88.43 87.2,88.61 87.34,88.79 87.48,88.94 87.64,89.09 87.81,89.22 87.99,89.34 88.18,89.44 88.38,89.52 88.59,89.58 88.8,89.63 89.01,89.66 89.21,89.67 89.23,89.66 92.92,89.66 92.94,89.67
GND on L5 GND: 93.14,89.66 93.35,89.63 93.56,89.58 93.77,89.52 93.97,89.44 94.16,89.34 94.34,89.22 94.51,89.09 94.67,88.94 94.81,88.79 94.95,88.61 95.06,88.43 95.16,88.24 95.24,88.04 95.31,87.84 95.35,87.63 95.38,87.42 95.39,87.22 95.39,87.2 95.39,2.96 95.38,2.76 95.35,2.55 95.31,2.34 95.24,2.13 95.16,1.93 95.06,1.74 94.95,1.56 94.81,1.39 94.67,1.23 94.51,1.09 94.34,0.95 94.16,0.84 93.97,0.74 93.77,0.66 93.56,0.59 93.35,0.55 93.14,0.52 92.94,0.51 92.93,0.51 42.98,0.51 42.96,0.51 42.76,0.52 42.55,0.55 42.34,0.59 42.13,0.66 41.93,0.74 41.74,0.84 41.56,0.95 41.39,1.09 41.23,1.23 41.09,1.39 40.95,1.56 40.84,1.74 40.74,1.93 40.66,2.13 40.59,2.34 40.55,2.55 40.52,2.76 40.51,2.96 40.51,2.98 40.51,5 40.5,5.1 40.47,5.2 40.42,5.28 40.36,5.36 40.28,5.42 40.2,5.47 40.1,5.5 40,5.51 28,5.51 27.9,5.5 27.8,5.47 27.72,5.42 27.64,5.36 27.58,5.28 27.53,5.2 27.5,5.1 27.49,5 27.49,2.98 27.49,2.96 27.48,2.76 27.45,2.55 27.41,2.34 27.34,2.13 27.26,1.93 27.16,1.74 27.05,1.56 26.91,1.39 26.77,1.23 26.61,1.09 26.44,0.95 26.26,0.84 26.07,0.74 25.87,0.66 25.66,0.59 25.45,0.55 25.24,0.52 25.04,0.51 25.03,0.51 2.98,0.51 2.96,0.51 2.76,0.52 2.55,0.55 2.34,0.59 2.13,0.66 1.93,0.74 1.74,0.84 1.56,0.95 1.39,1.09 1.23,1.23 1.09,1.39 0.95,1.56 0.84,1.74 0.74,1.93 0.66,2.13 0.59,2.34 0.55,2.55 0.52,2.76 0.51,2.96 0.51,2.98 0.51,87.1 0.51,87.12 0.52,87.31 0.55,87.53 0.59,87.74 0.66,87.94 0.74,88.14 0.84,88.33 0.95,88.51 1.09,88.69 1.23,88.84 1.39,88.99 1.56,89.12 1.74,89.24 1.93,89.34 2.13,89.42 2.34,89.48 2.55,89.53 2.76,89.56 2.96,89.57 2.98,89.56 13.28,89.56 13.29,89.57 13.49,89.56 13.7,89.53 13.91,89.48 14.12,89.42 14.32,89.34 14.51,89.24 14.69,89.12 14.86,88.99 15.02,88.84 15.16,88.69 15.3,88.51 15.41,88.33 15.51,88.14 15.59,87.94 15.66,87.74 15.7,87.53 15.73,87.32 15.74,87.12 15.74,87.1 15.74,85.1 15.75,85 15.78,84.9 15.83,84.82 15.97,84.68 16.05,84.63 16.15,84.6 16.25,84.59 86.1,84.59 86.2,84.6 86.3,84.62 86.4,84.66 86.49,84.72 86.57,84.78 86.63,84.86 86.69,84.95 86.73,85.05 86.75,85.15 86.76,85.25 86.76,87.2 86.76,87.22 86.77,87.41 86.8,87.63 86.84,87.84 86.91,88.04 86.99,88.24 87.09,88.43 87.2,88.61 87.34,88.79 87.48,88.94 87.64,89.09 87.81,89.22 87.99,89.34 88.18,89.44 88.38,89.52 88.59,89.58 88.8,89.63 89.01,89.66 89.21,89.67 89.23,89.66 92.92,89.66 92.94,89.67

## Text on the board
Bottom Overlay: + | 50 | 30 | 40 | 20 | 10 | 9 | 49 | 19 | 39 | 29 | SWD | H2 | H1 | MPI Power | Antenna | MPI | GPS | Camera | UART
Top Overlay: VBAT | 3V3 | 5V | CTS-SAT-1 OBC | REV 1.4. | ANT2 | COMS | ANT1 | H2 | H1 | SWD | BW | RBF | Umbilical | EPS
